# Altium PCB DriversBoard_Bigger.PcbDoc
Units mm, origin at the board's own origin, x right, y up, seen from the top; angles counter-clockwise.
Board outline 179.2 x 113.54 mm, 2 copper layers (Top Layer, Bottom Layer); 155 components, 159 nets, 900 pads, 0 vias.
Unrouted connection lines stored in the file: 420.
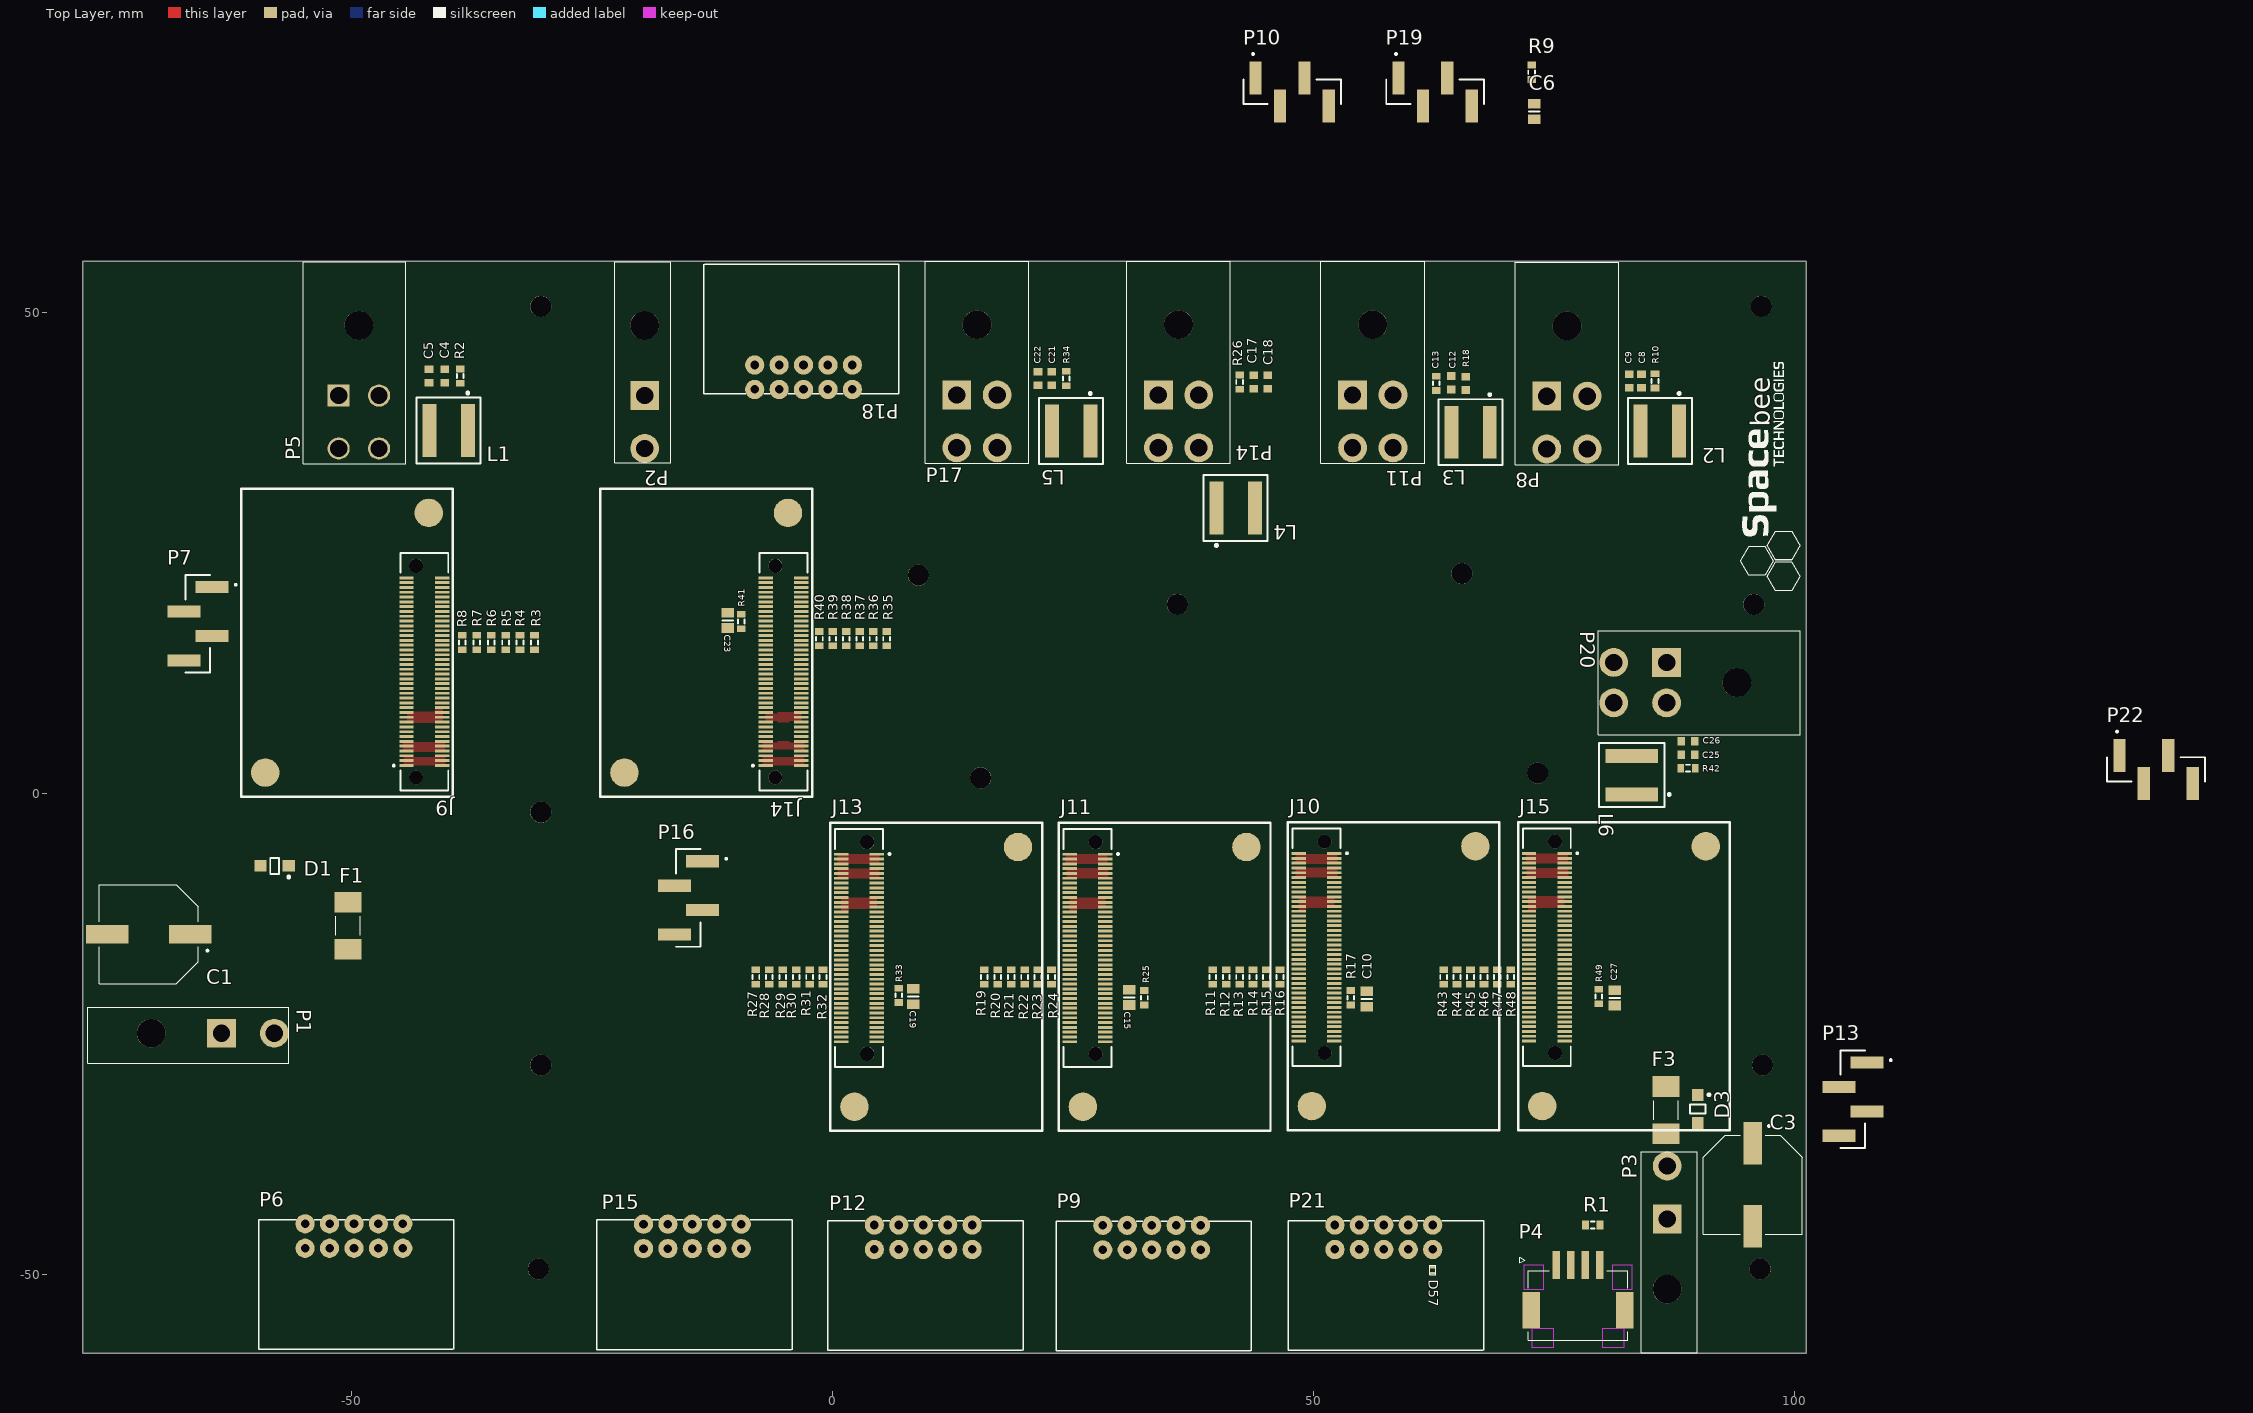
[diagram p0: Top Layer view]
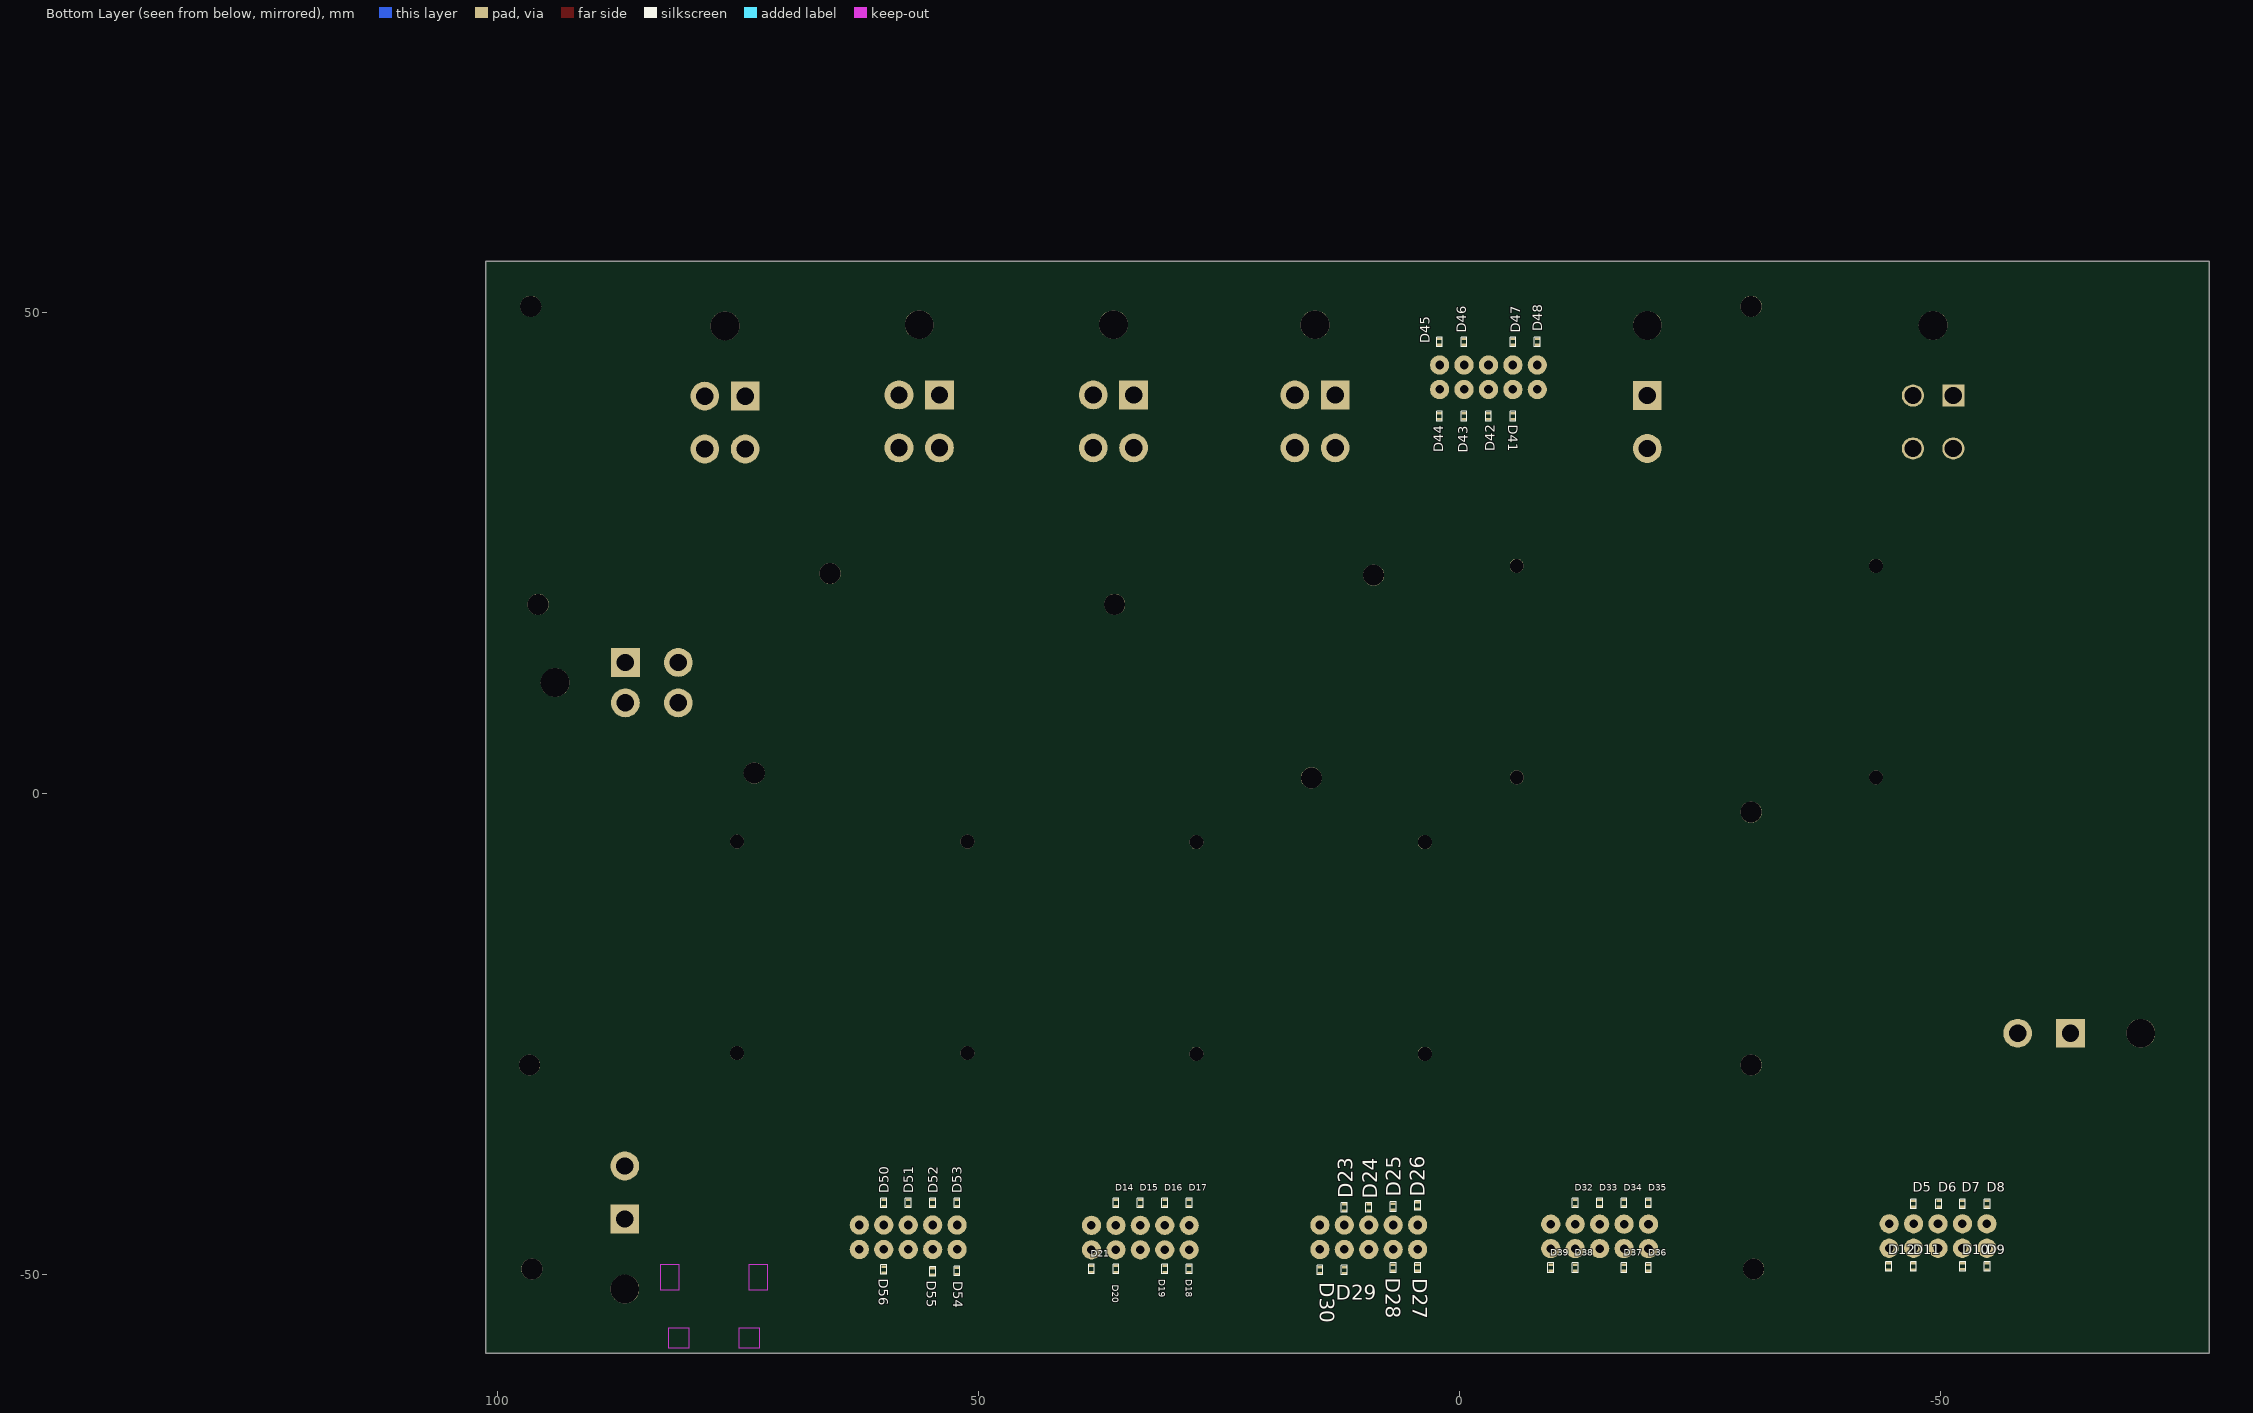
[diagram p1: Bottom Layer view, seen from below]

## Layer stack, top to bottom
Top Solder: solder mask 0.0102, Solder Resist, Dk 3.5
Top Layer: signal copper 0.03
Dielectric 1: dielectric 0.32, FR-4, Dk 4.8
Bottom Layer: signal copper 0.03
Bottom Solder: solder mask 0.0102, Solder Resist, Dk 3.5

## Board outline
-77.978,-58.166 101.219,-58.166 101.219,55.372 -77.978,55.372

## Design rules (kind name [scope] priority, off if disabled: settings)
Clearance [All] p1: gap=0.2 ignorepadtopadclearanceinfootprint=FALSE except(0.5: Arc-Poly Track-Poly SMDPad-Poly THPad-Poly Via-Poly Fill-Poly Poly-Poly)
DiffPairsRouting [All] p1: maxlimit=4.92 minlimit=0.254 mostfreqgap=0.3 toplayer_minwidth=0.3 toplayer_maxwidth=0.3 toplayer_prefwidth=0.3 bottomlayer_minwidth=0.3 bottomlayer_maxwidth=0.3 bottomlayer_prefwidth=0.3 maxuncoupledlength=12.7
PlaneClearance [All] p1: clearance=2
PlaneConnect [All] p1: planeconnectstyle=Direct reliefexpansion=0.508 reliefentries=4 reliefconductorwidth=0.254 reliefairgap=0.254
PolygonConnect [All] p1: connectstyle=Direct reliefconductorwidth=0.254 reliefentries=4 polygonreliefangle="90 Angle" airgapwidth=0.254
RoomDefinition TopDrivers [InComponentClass('TopDrivers')] p1: confinementstyle=ConfineIn formatcopy=TRUE lockcomponents=FALSE outline 70.739,-43.561 70.739,-57.023 84.201,-57.023 84.201,-43.561
RoutingVias [All] p1: holewidth=0.5 width=1 viastyle="Through Hole" minholewidth=0.5 minwidth=1 maxholewidth=0.5 maxwidth=1
SolderMaskExpansion [All] p1: expansion=0.102
Width Width_Driver [All] p1: maxlimit=0.3 minlimit=0.3 preferedwidth=0.3 minimp=50.000000 maximp=50.000000 favimp=50.000000
Width Width_Supply [InNetClass('Supply')] p2: maxlimit=1 minlimit=0.3 preferedwidth=1 bottomlayer_prefwidth=0.7 minimp=50.000000 maximp=50.000000 favimp=50.000000
Width Width_Motor [InNetClass('Motor')] p3: maxlimit=1 minlimit=0.3 preferedwidth=0.7 minimp=50.000000 maximp=50.000000 favimp=50.000000
Width Width_Encoder [InNetClass('Encoder')] p4: maxlimit=0.3 minlimit=0.3 preferedwidth=0.3 minimp=50.000000 maximp=50.000000 favimp=50.000000
Width Width_+5V [InNetClass('+5V')] p5: maxlimit=0.7 minlimit=0.3 preferedwidth=0.5 bottomlayer_prefwidth=0.3 minimp=50.000000 maximp=50.000000 favimp=50.000000
27 further rules are at their usual default settings.

## Classes and differential pairs
component class TopDrivers: C1 C3 D1 D3 F1 F3 P1 P2 P3 P4 R1
component class D6: C25 C26 C27 D22 D50 D51 D52 D53 D54 D55 D56 D57 F6 J15 J26 L6 P20 P21 P22 P29 R42 R43 R44 R45 R46 R47 R48 R49 U12
component class D4: C21 C22 C23 D41 D42 D43 D44 D45 D46 D47 D48 F5 J14 J24 L5 P17 P18 P19 R34 R35 R36 R37 R38 R39 R40 R41 U11
component class D2: C17 C18 C19 D32 D33 D34 D35 D36 D37 D38 D39 F4 J13 J22 L4 P14 P15 P16 R26 R27 R28 R29 R30 R31 R32 R33 U10
component class D1: C12 C13 C15 D23 D24 D25 D26 D27 D28 D29 D30 J11 L3 P11 P12 P13 R18 R19 R20 R21 R22 R23 R24 R25 U9
component class D5: C8 C9 C10 D14 D15 D16 D17 D18 D19 D20 D21 J10 L2 P8 P9 P10 R10 R11 R12 R13 R14 R15 R16 R17
component class D3: C4 C5 C6 D5 D6 D7 D8 D9 D10 D11 D12 J9 L1 P5 P6 P7 R2 R3 R4 R5 R6 R7 R8 R9
differential pair D: +D_P -D_N

## Components (designator, comment, footprint, x,y, rotation, side; value= is the part's Value field where it differs from the comment)
C1 "68uF" CAP_50SVT68M -71.12,-14.605 r180 top
C3 "68uF" CAP_50SVT68M 95.631,-40.64 r270 top
C4 "Cap Semi" 1608[0603] -40.361,43.424 r90 top value=470pF
C5 "Cap Semi" 1608[0603] -41.986,43.424 r90 top value=220pF
C6 "Cap Semi" 6-0805_L 72.898,70.942 r90 top value=15pF
C8 "Cap Semi" 1608[0603] 84.074,42.926 r90 top value=470pF
C9 "Cap Semi" 1608[0603] 82.804,42.926 r90 top value=220pF
C10 "Cap Semi" 6-0805_L 55.499,-21.336 r90 top value=15pF
C12 "Cap Semi" 1608[0603] 64.294,42.734 r90 top value=470pF
C13 "Cap Semi" 1608[0603] 65.786,42.672 r90 top value=220pF
C15 "Cap Semi" 6-0805_L 30.8,-21.159 r90 top value=15pF
C17 "Cap Semi" 1608[0603] 43.752,42.799 r90 top value=470pF
C18 "Cap Semi" 1608[0603] 45.212,42.799 r90 top value=220pF
C19 "Cap Semi" 6-0805_L 8.382,-21.082 r90 top value=15pF
C21 "Cap Semi" 1608[0603] 22.765,43.18 r90 top value=470pF
C22 "Cap Semi" 1608[0603] 21.336,43.18 r90 top value=220pF
C23 "Cap Semi" 6-0805_L -10.922,18.034 r270 top value=15pF
C25 "Cap Semi" 1608[0603] 88.9,4.064 r0 top value=470pF
C26 "Cap Semi" 1608[0603] 88.9,5.461 r0 top value=220pF
C27 "Cap Semi" 6-0805_L 81.28,-21.209 r90 top value=15pF
D1 "SMF30A" ONSC-SOD-123FL-2-498_V -58.039,-7.493 r180 top
D3 "SMF30A" ONSC-SOD-123FL-2-498_V 89.916,-32.766 r270 top
D5 "PTVS5V0Z1BSC" SOD993B#1 -47.227,-42.626 r180 bottom
D6 "PTVS5V0Z1BSC" SOD993B#1 -49.86,-42.626 r180 bottom
D7 "PTVS5V0Z1BSC" SOD993B#1 -52.324,-42.626 r180 bottom
D8 "PTVS5V0Z1BSC" SOD993B#1 -54.889,-42.626 r180 bottom
D9 "PTVS5V0Z1BSC" SOD993B#1 -54.889,-49.139 r0 bottom
D10 "PTVS5V0Z1BSC" SOD993B#1 -52.349,-49.129 r180 bottom
D11 "PTVS5V0Z1BSC" SOD993B#1 -47.244,-49.139 r0 bottom
D12 "PTVS5V0Z1BSC" SOD993B#1 -44.653,-49.139 r0 bottom
D14 "PTVS5V0Z1BSC" SOD993B#2 35.687,-42.545 r180 bottom
D15 "PTVS5V0Z1BSC" SOD993B#2 33.147,-42.545 r180 bottom
D16 "PTVS5V0Z1BSC" SOD993B#2 30.607,-42.545 r180 bottom
D17 "PTVS5V0Z1BSC" SOD993B#2 28.067,-42.545 r180 bottom
D18 "PTVS5V0Z1BSC" SOD993B#2 28.067,-49.403 r0 bottom
D19 "PTVS5V0Z1BSC" SOD993B#2 30.607,-49.403 r0 bottom
D20 "PTVS5V0Z1BSC" SOD993B#2 35.687,-49.403 r0 bottom
D21 "PTVS5V0Z1BSC" SOD993B#2 38.227,-49.403 r0 bottom
D23 "PTVS5V0Z1BSC" SOD993B#2 11.938,-42.997 r180 bottom
D24 "PTVS5V0Z1BSC" SOD993B#2 9.398,-42.997 r180 bottom
D25 "PTVS5V0Z1BSC" SOD993B#2 6.858,-42.926 r180 bottom
D26 "PTVS5V0Z1BSC" SOD993B#2 4.318,-42.799 r180 bottom
D27 "PTVS5V0Z1BSC" SOD993B#2 4.318,-49.276 r0 bottom
D28 "PTVS5V0Z1BSC" SOD993B#2 6.858,-49.276 r0 bottom
D29 "PTVS5V0Z1BSC" SOD993B#2 11.938,-49.53 r0 bottom
D30 "PTVS5V0Z1BSC" SOD993B#2 14.478,-49.53 r0 bottom
D32 "PTVS5V0Z1BSC" SOD993B#2 -12.065,-42.545 r180 bottom
D33 "PTVS5V0Z1BSC" SOD993B#2 -14.605,-42.545 r180 bottom
D34 "PTVS5V0Z1BSC" SOD993B#2 -17.145,-42.545 r180 bottom
D35 "PTVS5V0Z1BSC" SOD993B#2 -19.685,-42.545 r180 bottom
D36 "PTVS5V0Z1BSC" SOD993B#2 -19.685,-49.276 r0 bottom
D37 "PTVS5V0Z1BSC" SOD993B#2 -17.145,-49.276 r0 bottom
D38 "PTVS5V0Z1BSC" SOD993B#2 -12.065,-49.276 r0 bottom
D39 "PTVS5V0Z1BSC" SOD993B#2 -9.525,-49.276 r0 bottom
D41 "PTVS5V0Z1BSC" SOD993B#2 -5.588,39.243 r0 bottom
D42 "PTVS5V0Z1BSC" SOD993B#2 -3.048,39.243 r0 bottom
D43 "PTVS5V0Z1BSC" SOD993B#2 -0.508,39.243 r0 bottom
D44 "PTVS5V0Z1BSC" SOD993B#2 2.032,39.243 r0 bottom
D45 "PTVS5V0Z1BSC" SOD993B#2 2.032,46.99 r180 bottom
D46 "PTVS5V0Z1BSC" SOD993B#2 -0.508,46.99 r180 bottom
D47 "PTVS5V0Z1BSC" SOD993B#2 -5.588,46.99 r180 bottom
D48 "PTVS5V0Z1BSC" SOD993B#2 -8.128,46.99 r180 bottom
D50 "PTVS5V0Z1BSC" SOD993B#2 59.817,-42.545 r180 bottom
D51 "PTVS5V0Z1BSC" SOD993B#2 57.277,-42.545 r180 bottom
D52 "PTVS5V0Z1BSC" SOD993B#2 54.737,-42.545 r180 bottom
D53 "PTVS5V0Z1BSC" SOD993B#2 52.197,-42.53 r180 bottom
D54 "PTVS5V0Z1BSC" SOD993B#2 52.197,-49.601 r0 bottom
D55 "PTVS5V0Z1BSC" SOD993B#2 54.737,-49.657 r0 bottom
D56 "PTVS5V0Z1BSC" SOD993B#2 59.817,-49.474 r0 bottom
D57 "PTVS5V0Z1BSC" SOD993B#2 62.357,-49.53 r180 top
F1 "0680L4000-05" FUSC6125X279N -50.419,-13.716 r90 top
F3 "0680L4000-05" FUSC6125X279N 86.614,-32.893 r90 top
J9 "LSHM-140-02.5-L-DV-A-N-K-TR" SAMTEC_LSHM-140-02.5-L-DV-A-N-K-TR -42,29.204 r270 top
J10 "LSHM-140-02.5-L-DV-A-N-K-TR" SAMTEC_LSHM-140-02.5-L-DV-A-N-K-TR 49.802,-32.461 r90 top
J11 "LSHM-140-02.5-L-DV-A-N-K-TR" SAMTEC_LSHM-140-02.5-L-DV-A-N-K-TR 25.998,-32.531 r90 top
J13 "LSHM-140-02.5-L-DV-A-N-K-TR" SAMTEC_LSHM-140-02.5-L-DV-A-N-K-TR 2.249,-32.531 r90 top
J14 "LSHM-140-02.5-L-DV-A-N-K-TR" SAMTEC_LSHM-140-02.5-L-DV-A-N-K-TR -4.662,29.204 r270 top
J15 "LSHM-140-02.5-L-DV-A-N-K-TR" SAMTEC_LSHM-140-02.5-L-DV-A-N-K-TR 73.75,-32.461 r90 top
L1 "6.8µH" WE-XHMA_6060 -39.952,37.77 r270 top
L2 "6.8µH" WE-XHMA_6060 85.979,37.719 r270 top
L3 "6.8µH" WE-XHMA_6060 66.294,37.592 r270 top
L4 "6.8µH" WE-XHMA_6060 41.878,29.718 r90 top
L5 "6.8µH" WE-XHMA_6060 24.765,37.719 r270 top
L6 "6.8µH" WE-XHMA_6060 83.058,1.937 r180 top
P1 "DC-IN" MOLEX_1724480002 -63.566,-24.892 r270 top
P2 "DC-IN" MOLEX_1724480002 -19.558,41.402 r180 top
P3 "DC-IN" MOLEX_1724480002 86.741,-44.196 r0 top
P4 "CAN" MOLEX_5025850470 77.47,-52.578 r0 top
P5 "Engine_3" MOLEX_1724480004#1 -51.376,41.402 r180 top
P6 "Header 5X2" CONN_HIF3FC-14PA-2.54DS(71)_HIR -44.704,-44.704 r0 top
P7 "USB" "Header 4 SMD" -66.016,17.678 r90 top
P8 "Engine_5" MOLEX_1724480004#2 74.227,41.341 r180 top
P9 "Header 5X2" CONN_HIF3FC-14PA-2.54DS(71)_HIR 38.227,-44.866 r0 top
P10 "USB" "Header 4 SMD" 47.752,72.974 r180 top
P11 "Engine_1" MOLEX_1724480004#2 54.034,41.468 r180 top
P12 "Header 5X2" CONN_HIF3FC-14PA-2.54DS(71)_HIR 14.478,-44.831 r0 top
P13 "USB" "Header 4 SMD" 106.045,-31.75 r90 top
P14 "Engine_2" MOLEX_1724480004#2 33.841,41.468 r180 top
P15 "Header 5X2" CONN_HIF3FC-14PA-2.54DS(71)_HIR -9.525,-44.739 r0 top
P16 "USB" "Header 4 SMD" -15.025,-10.82 r90 top
P17 "Engine_4" MOLEX_1724480004#2 12.886,41.468 r180 top
P18 "Header 5X2" CONN_HIF3FC-14PA-2.54DS(71)_HIR -8.128,42.037 r180 top
P19 "USB" "Header 4 SMD" 62.611,72.974 r180 top
P20 "Engine_6" MOLEX_1724480004#2 86.68,13.657 r90 top
P21 "Header 5X2" CONN_HIF3FC-14PA-2.54DS(71)_HIR 62.357,-44.831 r0 top
P22 "USB" "Header 4 SMD" 137.566,2.528 r180 top
R1 "Res3" J1-0603 78.994,-44.831 r0 top value=120
R2 "Res3" J1-0603 -38.735,43.424 r270 top value=270
R3 "Res3" J1-0603 -31.015,15.723 r90 top value=56
R4 "Res3" J1-0603 -32.516,15.723 r90 top value=56
R5 "Res3" J1-0603 -34.017,15.723 r90 top value=56
R6 "Res3" J1-0603 -35.517,15.723 r90 top value=56
R7 "Res3" J1-0603 -37.018,15.723 r90 top value=56
R8 "Res3" J1-0603 -38.519,15.723 r90 top value=56
R9 "Res3" J1-0603 72.644,75.006 r90 top value=6.7K
R10 "Res3" J1-0603 85.471,42.926 r270 top value=270
R11 "Res3" J1-0603 39.497,-19.05 r270 top value=56
R12 "Res3" J1-0603 40.894,-19.05 r270 top value=56
R13 "Res3" J1-0603 42.291,-19.05 r270 top value=56
R14 "Res3" J1-0603 43.688,-19.05 r270 top value=56
R15 "Res3" J1-0603 45.085,-19.05 r270 top value=56
R16 "Res3" J1-0603 46.482,-19.05 r270 top value=56
R17 "Res3" J1-0603 53.848,-21.209 r90 top value=6.7K
R18 "Res3" J1-0603 62.738,42.672 r270 top value=270
R19 "Res3" J1-0603 15.748,-19.05 r270 top value=56
R20 "Res3" J1-0603 17.145,-19.05 r270 top value=56
R21 "Res3" J1-0603 18.542,-19.05 r270 top value=56
R22 "Res3" J1-0603 19.939,-19.05 r270 top value=56
R23 "Res3" J1-0603 21.336,-19.05 r270 top value=56
R24 "Res3" J1-0603 22.733,-19.05 r270 top value=56
R25 "Res3" J1-0603 32.385,-21.209 r90 top value=6.7K
R26 "Res3" J1-0603 42.291,42.799 r270 top value=270
R27 "Res3" J1-0603 -8.001,-19.05 r270 top value=56
R28 "Res3" J1-0603 -6.604,-19.05 r270 top value=56
R29 "Res3" J1-0603 -5.207,-19.05 r270 top value=56
R30 "Res3" J1-0603 -3.81,-19.05 r270 top value=56
R31 "Res3" J1-0603 -2.413,-19.05 r270 top value=56
R32 "Res3" J1-0603 -1.016,-19.05 r270 top value=56
R33 "Res3" J1-0603 6.858,-20.955 r90 top value=6.7K
R34 "Res3" J1-0603 24.257,43.18 r270 top value=270
R35 "Res3" J1-0603 5.588,16.129 r90 top value=56
R36 "Res3" J1-0603 4.191,16.129 r90 top value=56
R37 "Res3" J1-0603 2.794,16.129 r90 top value=56
R38 "Res3" J1-0603 1.397,16.129 r90 top value=56
R39 "Res3" J1-0603 0,16.129 r90 top value=56
R40 "Res3" J1-0603 -1.397,16.129 r90 top value=56
R41 "Res3" J1-0603 -9.525,17.907 r270 top value=6.7K
R42 "Res3" J1-0603 88.9,2.667 r180 top value=270
R43 "Res3" J1-0603 63.5,-19.05 r270 top value=56
R44 "Res3" J1-0603 64.897,-19.05 r270 top value=56
R45 "Res3" J1-0603 66.294,-19.05 r270 top value=56
R46 "Res3" J1-0603 67.691,-19.05 r270 top value=56
R47 "Res3" J1-0603 69.088,-19.05 r270 top value=56
R48 "Res3" J1-0603 70.485,-19.05 r270 top value=56
R49 "Res3" J1-0603 79.629,-21.082 r90 top value=6.7K
